# Altium PCB Gimbal.PcbDoc (part 1 of 2) (continued)
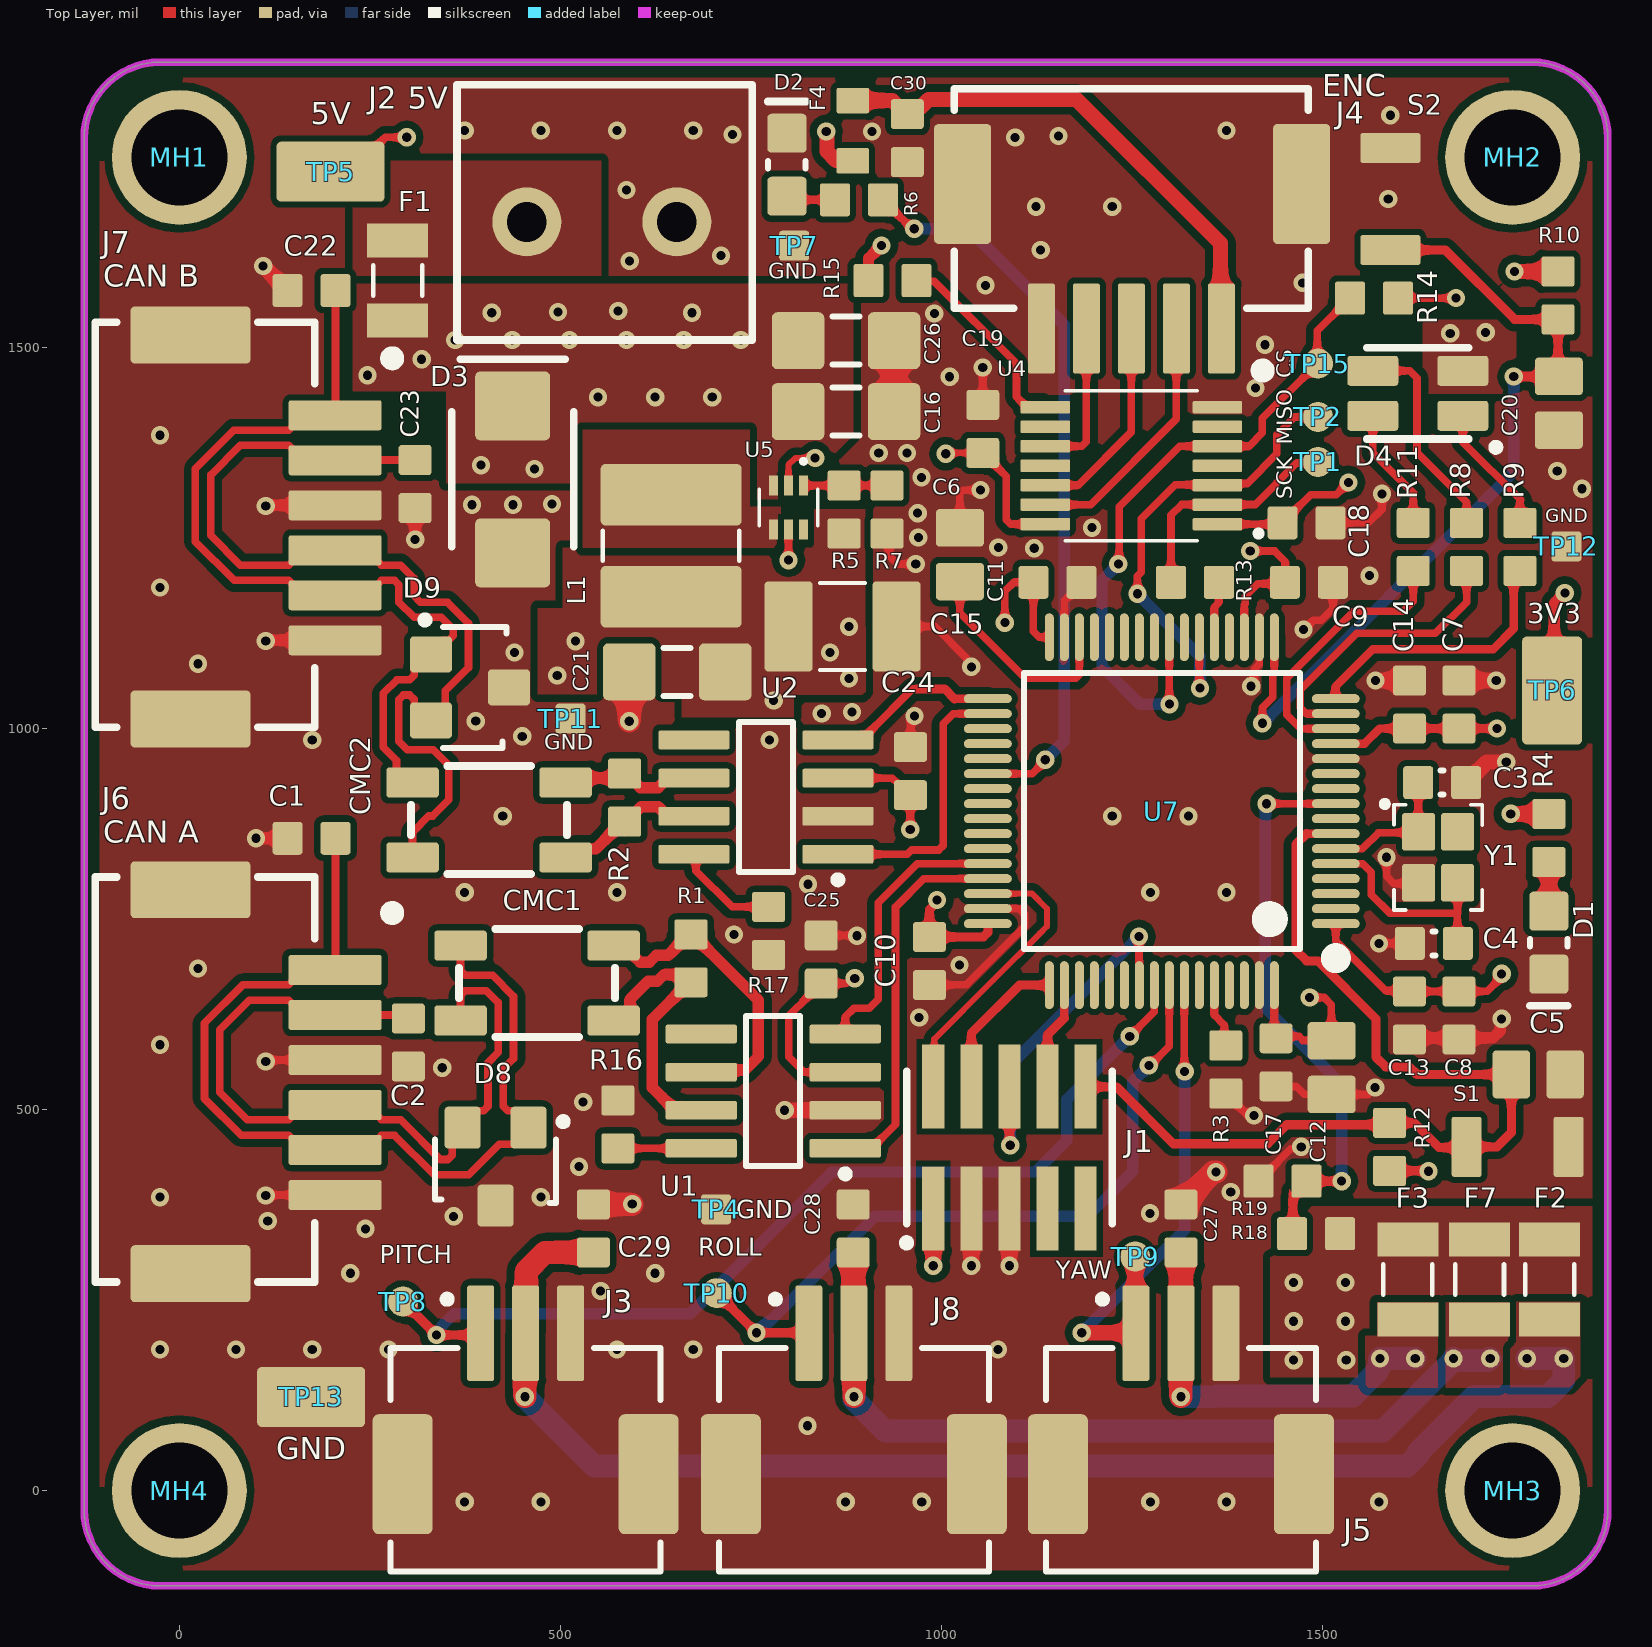
[diagram p0: Top Layer view]
## Design rules (kind name [scope] priority, off if disabled: settings)
BoardOutlineClearance [All] p1: gap=20 ignorepadtopadclearanceinfootprint=FALSE except(5: Text-OutlineEdge Text-CavityEdge Text-CutoutEdge Text-SplitBarrior Text-SplitContinuation; 25: Track-OutlineEdge Track-CavityEdge Track-CutoutEdge Track-SplitBarrior Track-SplitContinuation)
Clearance "Power Plane Clearance" [InNet('3V3') And OnLayer('Power') or InNet('5V') and OnLayer('Power')] p1: gap=10 ignorepadtopadclearanceinfootprint=TRUE except(0: Arc-Text Track-Text Text-Hole; 5: Track-Track SMDPad-SMDPad Text-Text; 7: SMDPad-Region; 8: Arc-Arc Arc-Track Arc-SMDPad Arc-Hole Track-SMDPad Track-Region Track-Hole SMDPad-THPad SMDPad-Fill SMDPad-Poly SMDPad-Text SMDPad-Hole THPad-Hole Via-Hole Fill-Hole Poly-Hole Region-Region Region-Hole; 20: THPad-THPad Via-Via; 25: Poly-Poly)
Clearance Clearance_1 [All] p2: gap=10 ignorepadtopadclearanceinfootprint=TRUE except(0: Arc-Text Track-Text Text-Hole; 5: Track-Track SMDPad-SMDPad Text-Text; 7: SMDPad-Region; 8: Arc-Arc Arc-Track Arc-SMDPad Arc-Hole Track-SMDPad Track-Region Track-Hole SMDPad-THPad SMDPad-Fill SMDPad-Poly SMDPad-Text SMDPad-Hole THPad-Hole Via-Hole Fill-Hole Poly-Hole Region-Region Region-Hole; 20: THPad-THPad Via-Via)
DiffPairsRouting [All] p1: maxlimit=10 minlimit=10 mostfreqgap=10 toplayer_minwidth=10 toplayer_maxwidth=10 toplayer_prefwidth=10 midlayer1_minwidth=10 midlayer1_maxwidth=10 midlayer1_prefwidth=10 midlayer2_minwidth=10 midlayer2_maxwidth=10 midlayer2_prefwidth=10 bottomlayer_minwidth=10 bottomlayer_maxwidth=10 bottomlayer_prefwidth=10 maxuncoupledlength=500
HoleSize [All] p1: absolutevalues=TRUE maxlimit=200 minlimit=10 maxpercent=80.000 minpercent=20.000
HoleToHoleClearance [All] p1: gap=20 allowstackedmicrovias=TRUE
MinimumAnnularRing [All] p1: minimumring=5
MinimumSolderMaskSliver [All] p1: minsoldermaskwidth=3
PolygonConnect PolygonConnect_Via [IsVia] p1: connectstyle=Direct reliefconductorwidth=10 reliefentries=4 polygonreliefangle="90 Angle" airgapwidth=10
PolygonConnect [All] p2: connectstyle=Direct reliefconductorwidth=10 reliefentries=4 polygonreliefangle="90 Angle" airgapwidth=10
RoutingVias [All] p1: holewidth=12 width=24 viastyle="Through Hole" minholewidth=6 minwidth=12 maxholewidth=24 maxwidth=50
SilkToSilkClearance [All] p1: silktosilkclearance=2
SilkToSolderMaskClearance [IsPad] p1: minsilkscreentomaskgap=2 clearancetoexposedcopper=TRUE
SolderMaskExpansion [All] p1: expansion=2 istentingtop=FALSE
Width Servos [(InNet('NetC27_2') OR InNet('NetC28_2') OR InNet('NetC29_2'))] p1: maxlimit=50 minlimit=20 preferedwidth=30 minimp=50.000000 maximp=50.000000 favimp=50.000000
Width Width_1 [All] p2: maxlimit=30 minlimit=8 preferedwidth=10 midlayer1_maxwidth=20 midlayer2_maxwidth=20 minimp=50.000000 maximp=50.000000 favimp=50.000000
24 further rules are at their usual default settings.

## Classes and differential pairs
component class "SH6 - CAN": B_P C1 C2 C22 C23 C24 C25 CMC1 CMC2 R1 R2 R16 R17 U1 U2
component class "SH5 - MICROCONTROLLER": C3 C4 C5 C6 C7 C8 C9 C10 C11 C12 C13 C14 C17 C20 D2 D4 J1 MH1 MH2 MH3 MH4 R3 R6 R8 R9 R10 R11 R12 R13 S1 S2 TP1 TP2 U7 Y1
component class "SH3 - SENSORS": C18 C19 R14 R15 R18 R19 TP15 U4
component class "SH2 - CONNECTORS": C27 C28 C29 C30 D8 D9 F2 F3 F4 F7 J3 J4 J5 J6 J7 J8 TP8 TP9 TP10
component class "SH1 - POWER": C15 C16 C21 C26 D1 D3 F1 J2 L1 R4 R5 R7 TP4 TP5 TP6 TP7 TP11 TP12 TP13 U5
differential pair CAN2: +CAN2_P -CAN2_N
differential pair CAN1: +CAN1_P -CAN1_N
differential pair CANB: +CANB_P -CANB_N
differential pair CANA: +CANA_P -CANA_N

## Components (designator, comment, footprint, x,y, rotation, side; value= is the part's Value field where it differs from the comment)
C1 "CAP_33pF_50V_0603" CAP0603 173.5,856.28 r0 top value=33pF
C2 "CAP_33pF_50V_0603" CAP0603 300.5,588.28 r90 top value=33pF
C3 "CL10C140JB8NNNC" CAPC0603(1608)55_N 1657.5,929.28 r180 top value=14pF
C4 "CL10C140JB8NNNC" CAPC0603(1608)55_N 1646.5,718.28 r0 top value=14pF
C5 "CAP_1uF_16V_0805" CAP2012 1783.5,546.28 r180 top value=1µF
C6 "CAP_4.7uF_16V_0805" CAP2012 1024.5,1228.47 r270 top value=4.7µF
C7 "CAP_1uF_16V_0603" CAP0603 1679.5,1031.81 r270 top value=1µF
C8 "CAP_0.1uF_50V_0603" CAP0603 1679.5,623.81 r90 top value=0.1µF
C9 "CAP_0.1uF_50V_0603" CAP0603 1482.5,1192.28 r180 top value=0.1µF
C10 "CAP_0.1uF_50V_0603" CAP0603 984.5,695.28 r90 top value=0.1µF
C11 "CAP_0.1uF_50V_0603" CAP0603 1152.5,1192.28 r180 top value=0.1µF
C12 "CAP_4.7uF_16V_0805" CAP2012 1512.5,555.28 r90 top value=4.7µF
C13 "CAP_0.1uF_50V_0603" CAP0603 1614.5,623.81 r90 top value=0.1µF
C14 "CAP_10nF_0603" CAP0603 1614.5,1031.81 r270 top value=10µF
C15 "GRM32ER71E226ME15K" CAPC3225X270N 870.5,1134.28 r180 top
C16 "4.7µF" CAP1206 875.03,1416.28 r180 top
C17 "CAP_0.1uF_50V_0603" CAP0603 1439.5,562.28 r90 top value=0.1µF
C18 "CAP_0.1uF_50V_0603" CAP0603 1479.5,1270.28 r180 top value=0.1µF
C19 "CAP_0.1uF_50V_0603" CAP0603 1054.5,1393.6 r270 top value=0.1µF
C20 "CAP_1uF_16V_0805" CAP2012 1810.62,1427.28 r90 top value=1µF
C21 "4.7µF" CAP1206 653.5,1074.78 r0 top
C22 "CAP_33pF_50V_0603" CAP0603 173.5,1575.28 r0 top value=33pF
C23 "CAP_33pF_50V_0603" CAP0603 309.5,1321.28 r90 top value=33pF
C24 "CAP_0.1uF_50V_0603" CAP0603 959.5,944.46 r90 top value=0.1µF
C25 "CAP_0.1uF_50V_0603" CAP0603 842.5,697.28 r90 top value=0.1µF
C26 "10uF" CAP1206 875.03,1509.28 r180 top value=10µF
C27 "CAP_0.1uF_50V_0603" CAP0603 1314.5,344.28 r270 top value=0.1µF
C28 "CAP_0.1uF_50V_0603" CAP0603 884.5,344.28 r270 top value=0.1µF
C29 "CAP_0.1uF_50V_0603" CAP0603 543.5,344.28 r270 top value=0.1µF
C30 "CAP_0.1uF_50V_0603" CAP0603 955.5,1775.28 r90 top value=0.1µF
CMC1 "CMC_51uH" 744212510 469.5,666.28 r180 top
CMC2 "CMC_51uH" 744212510 406.5,880.28 r180 top
D1 "LG R971-KN-1" LED_0805_GREEN 1797.5,719.28 r270 top
D2 "LG R971-KN-1" LED_0805_GREEN 797.5,1740.28 r90 top
D3 "TVS_DIODE_UNIDIR_5V" SMBJ5.0A 437.5,1327.28 r270 top
D4 "LED_RGB" LED_RGB 1625.5,1440.28 r90 top
D8 "TVS_DIODE_CAN" TVS_DIODE_CAN 415.11,425.28 r270 top
D9 "TVS_DIODE_CAN" TVS_DIODE_CAN 381.5,1054.28 r0 top
F1 "FUSE_8A_1206" FUSE_1206 286.5,1588.28 r270 top
F2 "FUSE_1.5A_1206" FUSE_1206 1798.5,277.28 r90 top
F3 "FUSE_1.5A_1206" FUSE_1206 1612.5,277.28 r90 top
F4 "FUSE_250mA_0603" FUSE_0603 884,1785 r270 top
F7 "FUSE_1.5A_1206" FUSE_1206 1706.5,277.28 r90 top
J1 "CON_PROGRAMMING" FTSH-105-01-F-DV-K-P-TR 1089.5,450.28 r0 top
J2 "1935161" 1935161 554.5,1665.28 r180 top
J3 "CON_3M_SM_RA" MOLEX-5025850370 454.5,40.28 r0 top
J4 "CON_5M_SM_RA" MOLEX-5025850570 1367.67,1525.28 r0 top
J5 "CON_3M_SM_RA" MOLEX-5025850370 1314.5,40.28 r0 top
J6 "CON_6M_SM_RA_1.5mm" MOLEX-5025850670 204.5,683.39 r90 top
J7 "CON_6M_SM_RA_1.5mm" MOLEX-5025850670 204.5,1411.44 r90 top
J8 "CON_3M_SM_RA" MOLEX-5025850370 885.21,40.28 r0 top
L1 "IND_1uH_3.8A" IND_BOURNS_SDR04 645.5,1240.28 r270 top value=1uH
MH1 "MOUNTING_HOLE_M3" MOUNTING_HOLE_3mm_GIMBAL_REV2 0,1750 r0 top
MH2 "MOUNTING_HOLE_M3" MOUNTING_HOLE_3mm_GIMBAL_REV2 1750,1750 r0 top
MH3 "MOUNTING_HOLE_M3" MOUNTING_HOLE_3mm_GIMBAL_REV2 1750,0 r0 top
MH4 "MOUNTING_HOLE_M3" MOUNTING_HOLE_3mm_GIMBAL_REV2 0,0 r0 top
R1 "RES_120Ω_0603" RESC0603(1608)_N 671.5,730.28 r270 top value=120¥Ø
R2 "RES_120Ω_0603" RESC0603(1608)_N 584.5,941.28 r270 top value=120¥Ø
R3 "RES_10kΩ_0603" RESC0603(1608)_N 1373.5,584.28 r270 top value=10k¥Ø
R4 "RES_120Ω_0603" RESC0603(1608)_N 1797.5,825.28 r90 top value=120¥Ø
R5 "RES_453kΩ_0603" RESC0603(1608)_N 872.5,1319.28 r270 top value=453k¥Ø
R6 "RES_120Ω_0603" RESC0603(1608)_N 923.5,1694.28 r180 top value=120¥Ø
R7 "RES_100kΩ_0603_1%" RESC0603(1608)_N 928.76,1256.28 r90 top value=100k¥Ø
R8 "RES_20Ω_0603" RESC0603(1608)_N 1689.5,1270.28 r270 top value=20¥Ø
R9 "RES_120Ω_0603" RESC0603(1608)_N 1759.5,1207.28 r90 top value=120¥Ø
R10 "RES_10kΩ_0603" RESC0603(1608)_N 1809.5,1600.28 r270 top value=10k¥Ø
R11 "RES_20Ω_0603" RESC0603(1608)_N 1619.5,1270.28 r270 top value=20¥Ø
R12 "RES_10kΩ_0603" RESC0603(1608)_N 1588.5,482.77 r270 top value=10k¥Ø
R13 "RES_27Ω_0603" RESC0603(1608)_N 1301.51,1192.28 r0 top value=27¥Ø
R14 "RES_10kΩ_0603" RESC0603(1608)_N 1536.51,1565.28 r0 top value=10k¥Ø
R15 "RES_10kΩ_0603" RESC0603(1608)_N 967.49,1588.28 r180 top value=10k¥Ø
R16 "RES_0Ω_0603" RESC0603(1608)_N 575.5,512.28 r270 top value=0¥Ø
R17 "RES_0Ω_0603" RESC0603(1608)_N 773.5,703.28 r90 top value=0¥Ø
R18 "RES_2.2kΩ_0603" RESC0603(1608)_N 1460.51,337.28 r0 top value=2.2k¥Ø
R19 "RES_3.3kΩ_0603" RESC0603(1608)_N 1416.51,406.28 r0 top value=3.3k¥Ø
S1 "SW_TACTILE" B3U-1000P 1756.5,451.28 r180 top
S2 "SW_TACTILE" B3U-1000P 1589.5,1695.28 r270 top
TP1 "TESTPOINT_1MM_CIRCLE" TESTPOINT_CIRCLE_1MM 1494.5,1350.28 r90 top
TP2 "TESTPOINT_1MM_CIRCLE" TESTPOINT_CIRCLE_1MM 1494.5,1409.28 r90 top
TP4 "TESTPOINT_1MM_SQUARE" TESTPOINT_SQUARE_1MM 704.5,369.28 r90 top
TP5 "TESTPOINT_SMD_LOOP" S1751-46R 198.5,1731.28 r180 top
TP6 "TESTPOINT_SMD_LOOP" S1751-46R 1801.78,1050.28 r270 top
TP7 "TESTPOINT_1MM_SQUARE" TESTPOINT_SQUARE_1MM 807,1634 r90 top
TP8 "TESTPOINT_1MM_CIRCLE" TESTPOINT_CIRCLE_1MM 293.5,248.28 r0 top
TP9 "TESTPOINT_1MM_CIRCLE" TESTPOINT_CIRCLE_1MM 1254.5,307.28 r0 top
TP10 "TESTPOINT_1MM_CIRCLE" TESTPOINT_CIRCLE_1MM 705.5,259.28 r90 top
TP11 "TESTPOINT_1MM_SQUARE" TESTPOINT_SQUARE_1MM 513.5,1013.28 r90 top
TP12 "TESTPOINT_1MM_SQUARE" TESTPOINT_SQUARE_1MM 1820.5,1239.28 r90 top
TP13 "TESTPOINT_SMD_LOOP" S1751-46R 173,123 r180 top
TP15 "TESTPOINT_1MM_CIRCLE" TESTPOINT_CIRCLE_1MM 1494.5,1479.28 r90 top
U1 "IC TXRX CAN" LT-S8_N 779.5,524.28 r180 top
U2 "IC TXRX CAN" LT-S8_N 769.87,910.28 r180 top
U4 "TXS0104EQPWRQ1" TXS0104EQPWRQ1 1249.5,1345.28 r180 top
U5 "TLV62568ADRLR" SOT50P160X60-6N 799.5,1290.28 r270 top
U7 "STM32F446RET6" STM-LQFP64_L 1289.5,891.81 r180 top
Y1 "CRYSTAL_25MHZ" SOIC254P1016X440-4N 1652.15,831.28 r270 top

## Footprints (in the part's own frame and the unit in brackets; to place one, negate y for a bottom-side part, rotate by r counter-clockwise, add the part's x,y. Pads: shape width x height; smd on the part's side, far side on the other; paste and mask are expansions set on the pad)
1935161 [mm]
  round 2.3 hole 1.325: 1(-2.5,0) 2(2.5,0)
  silkscreen extent -5.01,-4.57 4.83,3.94, body extent -5.01,-5.06 5.39,3.94, height 11.41
744212510 [mm] "CMC HORIZONTAL 4 J-LEAD"
  rrect20% 1.75x1 smd: 1(-2.55,-1.25) 3(-2.55,1.25) 4(2.55,1.25) 5(2.55,-1.25)
  silkscreen extent -2.6,-1.8 2.6,1.8, body extent -2.6,-1.8 2.6,1.8, height 1.67
B3U-1000P [mm] "TACTILE SWITCH GREY"
  rrect15% 1x2 smd: 1(-1.7,0) 2(1.7,0)
  body extent -2,-1.25 2,1.25, height 1.6
CAP0603 [mm]
  rrect20% 1x1.1 smd: 1(-0.8,0) 2(0.8,0)
  body extent -0.87,-0.48 0.88,0.48, height 0.87
CAP1206 [mm] "Chip Capacitor, Body 3.2x1.6mm, Height 0.55mm, IPC Medium Density"
  rrect20% 1.75x1.9 smd: 1(-1.6,0) 2(1.6,0)
  silkscreen extent -0.45,-0.8 0.45,0.8, body extent -1.7,-0.9 1.7,0.9, height 0.88
CAP2012 [mm]
  rrect20% 1.25x1.6 smd: 1(-0.895,0) 2(0.895,0)
  body extent -1.1,-0.7 1.1,0.75, height 1.41
CAPC0603(1608)55_N [mm] "Chip Capacitor, Body 1.6x0.8mm, Height 0.55mm, IPC Medium Density"
  rrect20% 1x1.1 smd: 1(-0.8,0) 2(0.8,0)
  silkscreen extent -0.05,-0.4 0.05,0.4, body extent -0.87,-0.48 0.88,0.48, height 0.87
CAPC3225X270N [mm]
  rrect15% 1.6x3 smd: 1(-1.8,0) 2(1.8,0)
  silkscreen extent -0.75,-1.45 0.75,1.45, body extent -1.6,-1.35 1.6,1.35, height 2.55
FTSH-105-01-F-DV-K-P-TR [mil] "Samtec programming header 10 positions"
  rect 29x110 smd mask+2: 1(-100,-80) 2(-100,80) 3(-50,-80) 4(-50,80) 5(0,-80) 6(0,80) 7(50,-80) 8(50,80) 9(100,-80) 10(100,80)
  silkscreen extent -140,-130 135,100, body extent -125,-115 125,175, height 276
FUSE_0603 [mm] "Chip Fuse, Body 1.6x0.81mm"
  rrect15% 0.85x1.09 smd: 1(-1.005,0) 2(1.005,0)
  body extent -0.8,-0.38 0.8,0.38, height 0.75
FUSE_1206 [mil]
  rect 45x80 smd mask+1: 1(-52.5,0) 2(52.5,0)
  silkscreen extent -20,-32 20,32, body extent -65,-32 65,32, height 32
IND_BOURNS_SDR04 [mm] "SDR0403 Series - SMD Power Inductors"
  rrect15% 2.05x4.7 smd paste+0 mask+0.102: 1(-1.7,0) 2(1.7,0)
  silkscreen extent -0.5,-2.27 0.5,2.27, body extent -2.25,-2.25 2.25,2.25, height 3.2
LED_0805_GREEN [mm] "SMD, 2-Leads, Body 2x1.25mm"
  rrect20% 1.3x1.3 smd: 1(-1.05,0) 2(1.05,0)
  silkscreen extent -0.13,-0.63 2.11,0.64, body extent -1,-0.62 1,0.62, height 1.12
LED_RGB [mm]
  rrect20% 1x1.7 smd: 1(-0.75,-1.5) 2(-0.75,1.5) 3(0.75,1.5) 4(0.75,-1.5)
  silkscreen extent -1.92,-2.73 1.53,1.7, body extent -1.4,-1.75 1.4,1.75, height 1.89
LT-S8_N [mm] "SOP, 8-Leads, Body 4.9x3.9mm, Pitch 1.27mm, IPC Medium Density"
  rrect20% 2.375x0.625 smd: 1(-2.4,1.905) 2(-2.4,0.635) 3(-2.4,-0.635) 4(-2.4,-1.905) 5(2.4,-1.905) 6(2.4,-0.635) 7(2.4,0.635) 8(2.4,1.905)
  silkscreen extent -2.53,-2.5 0.9,2.88, body extent -2.91,-2.4 2.87,2.5, height 1.45
MOLEX-5025850370 [mm]
  rrect20% 2x4 smd paste+0 mask+0: 0(-4.1,-0.475) 0(4.1,-0.475)
  rrect20% 0.9x3.2 smd paste+0 mask+0: 1(-1.5,4.225) 2(0,4.225) 3(1.5,4.225)
  silkscreen extent -4.5,-3.72 4.5,5.48, body extent -4.4,-3.67 4.4,4.83, height 6.4
MOLEX-5025850570 [mm]
  rrect15% 1.9x4 smd: 0(-8.625,4.82) 0(2.675,4.82)
  rrect15% 0.9x3 smd: 1(0,0) 2(-1.5,0) 3(-3,0) 4(-4.5,0) 5(-6,0)
  silkscreen extent -8.9,-1.6 2.9,8, body extent -8.9,-0.5 2.9,8, height 6.21
MOLEX-5025850670 [mm] "Molex 5024940670 6 pin 2mm pitch SMD RA connector"
  rrect15% 1.9x4 smd: 0(-10.125,4.82) 0(2.675,4.82)
  rrect15% 1x3.1 smd: 1(0,0) 2(-1.5,0) 3(-3,0) 4(-4.5,0) 5(-6,0) 6(-7.5,0)
  silkscreen extent -10.4,-2.1 3.1,8, body extent -10.25,-0.62 3.05,7.88, height 6.41
MOUNTING_HOLE_3mm_GIMBAL_REV2 [mm] "3mm Hole"
  round 4.5 / inner round 4.5 / far side round 5 hole 3.2 mask+0.3: 0(0,0)
RESC0603(1608)_N [mm] "Chip Resistor, Body 1.6x0.8mm, IPC Medium Density"
  rrect15% 1x1.1 smd: 1(0,0) 2(1.6,0)
  body extent 0,-0.4 1.6,0.4, height 0.46
S1751-46R [mm] "SMD LOOP TESTPOINT"
  rrect15% 3.6x2 smd: 1(0,0)
  body extent -1.63,-0.85 1.62,0.8, height 2.01
SMBJ5.0A [mm] "9.2V Clamp 65.3A Ipp Tvs Diode Surface Mount SMB (DO-214AA)"
  rrect15% 2.3x2.5 smd: 1(-2.45,0) 2(2.45,0)
  silkscreen extent -4,-2.03 2.25,2.03, body extent -2.7,-1.8 2.7,1.8, height 2.27
SOIC254P1016X440-4N [mm]
  rrect15% 1.25x1.1 smd: 1(-0.85,-0.65) 2(0.85,-0.65) 3(0.85,0.65) 4(-0.85,0.65)
  silkscreen extent -1.88,-1.88 1.75,1.47, body extent -1.24,-0.85 1.24,0.85, height 0.56
SOT50P160X60-6N [mm]
  rect 0.66x0.31 smd: 1(-0.735,0.5) 2(-0.735,0) 3(-0.735,-0.5) 4(0.735,-0.5) 5(0.735,0) 6(0.735,0.5)
  silkscreen extent -1.62,-0.97 0.6,0.97, body extent -0.8,-0.8 0.8,0.8, height 0.6
STM-LQFP64_L [mm] "QFP, 64-Leads, Body 10x10mm, Pitch 0.5mm, IPC High Density"
  oval 1.6x0.3 smd: 1(-5.8,3.75) 2(-5.8,3.25) 3(-5.8,2.75) 4(-5.8,2.25) 5(-5.8,1.75) 6(-5.8,1.25) 7(-5.8,0.75) 8(-5.8,0.25) 9(-5.8,-0.25) 10(-5.8,-0.75) 11(-5.8,-1.25) 12(-5.8,-1.75) 13(-5.8,-2.25) 14(-5.8,-2.75) 15(-5.8,-3.25) 16(-5.8,-3.75) 33(5.8,-3.75) 34(5.8,-3.25) 35(5.8,-2.75) 36(5.8,-2.25) 37(5.8,-1.75) 38(5.8,-1.25) 39(5.8,-0.75) 40(5.8,-0.25) 41(5.8,0.25) 42(5.8,0.75) 43(5.8,1.25) 44(5.8,1.75) 45(5.8,2.25) 46(5.8,2.75) 47(5.8,3.25) 48(5.8,3.75)
  oval 0.3x1.6 smd: 17(-3.75,-5.8) 18(-3.25,-5.8) 19(-2.75,-5.8) 20(-2.25,-5.8) 21(-1.75,-5.8) 22(-1.25,-5.8) 23(-0.75,-5.8) 24(-0.25,-5.8) 25(0.25,-5.8) 26(0.75,-5.8) 27(1.25,-5.8) 28(1.75,-5.8) 29(2.25,-5.8) 30(2.75,-5.8) 31(3.25,-5.8) 32(3.75,-5.8) 49(3.75,5.8) 50(3.25,5.8) 51(2.75,5.8) 52(2.25,5.8) 53(1.75,5.8) 54(1.25,5.8) 55(0.75,5.8) 56(0.25,5.8) 57(-0.25,5.8) 58(-0.75,5.8) 59(-1.25,5.8) 60(-1.75,5.8) 61(-2.25,5.8) 62(-2.75,5.8) 63(-3.25,5.8) 64(-3.75,5.8)
  silkscreen extent -5.93,-4.6 4.6,5.02, body extent -5.98,-6 6.02,6, height 1.56
TESTPOINT_CIRCLE_1MM [mm]
  round 1 smd: 1(0,0)
TESTPOINT_SQUARE_1MM [mm]
  rrect20% 1x1 smd: 1(0,0)
TVS_DIODE_CAN [mm] "SOT23, 3-Leads, Body 2.95x2.80mm, Pitch 0.95mm, IPC Low Density"
  rrect20% 1.4x1.2 smd: 1(-1.3,1.1) 2(-1.3,-1.1) 3(1.3,0)
  silkscreen extent -1.62,-2.02 1.22,2.38, body extent -1.4,-1.45 1.4,1.45, height 1.3
TXS0104EQPWRQ1 [mm]
  rrect25% 1.65x0.425 smd: 1(-2.87,1.95) 2(-2.87,1.3) 3(-2.87,0.65) 4(-2.87,0) 5(-2.87,-0.65) 6(-2.87,-1.3) 7(-2.87,-1.95) 8(2.87,-1.95) 9(2.87,-1.3) 10(2.87,-0.65) 11(2.87,0) 12(2.87,0.65) 13(2.87,1.3) 14(2.87,1.95)
  silkscreen extent -4.34,-2.5 2.2,2.5, body extent -3.2,-2.5 3.2,2.5, height 1.13

## Part data
C1 C2 C22 C23: "CAP CER 33PF 50V C0G/NP0", Case Code (Imperial)=0603, Case Code (Metric)=1608, Dielectric=C0G, Dielectric Material=Ceramic, Insulation Resistance=100GR, Manufacturer 1=Yageo, Manufacturer Part Number 1=CC0603JRNPO9BN330, Max Operating Temperature=125°C, Min Operating Temperature=-55°C, Supplier Part Number 1=311-1064-1-ND, Temperature Coefficient=30ppm/°C, Tolerance=5%, Voltage=50V, ComponentLink7Description=https://datasheet.ciiva.com/11464/upy-gp-np0-16v-to-50v-8-11464730.pdf?src-supplier=Avnet, ComponentLink7URL=https://datasheet.ciiva.com/11464/upy-gp-np0-16v-to-50v-8-11464730.pdf?src-supplier=Avnet, ComponentLink8Description=https://datasheet.ciiva.com/46430/1835847-46430155.pdf?src-supplier=Element14, ComponentLink8URL=https://datasheet.ciiva.com/46430/1835847-46430155.pdf?src-supplier=Element14, ComponentLink9Description=https://datasheet.ciiva.com/144/mlccorderingcode-144644.pdf?src-supplier=Digi-Key, ComponentLink9URL=https://datasheet.ciiva.com/144/mlccorderingcode-144644.pdf?src-supplier=Digi-Key, ComponentLink10Description=https://datasheet.ciiva.com/5426/upy-gp-np0-16v-to-50v-8-5426614.pdf?src-supplier=Mouser, ComponentLink10URL=https://datasheet.ciiva.com/5426/upy-gp-np0-16v-to-50v-8-5426614.pdf?src-supplier=Mouser, ComponentLink11Description=https://datasheet.ciiva.com/7978/1443161-7978142.pdf?src-supplier=Element14, ComponentLink11URL=https://datasheet.ciiva.com/7978/1443161-7978142.pdf?src-supplier=Element14, Composition=Ceramic, Depth=0.8mm, Height=0.8mm, Length=1.6mm, Mount="Surface Mount", Number of Pins=2, Package=0603, REACH SVHC="No SVHC", Supplier 1=Digi-Key, Termination=SMD/SMT, Thickness=0.035inch, Voltage Rating=50V, Voltage Rating (DC)=50V, Width=0.031inch
C3 C4: "Cap Ceramic 14pF 50V C0G 5% SMD 0603 125C Cardboard T/R", Capacitance=14pF, Case Code (Imperial)=0603, Case Code (Metric)=1608, Dielectric=C0G, Manufacturer 1=Samsung, Max Operating Temperature=125°C, Min Operating Temperature=-55°C, Package Quantity=1, Supplier Part Number 1=1276-2187-1-ND, Tolerance=5%, Voltage Rating=50V, Case/Package=0603, ComponentLink1Description=https://datasheet.ciiva.com/25782/cl10c140jb8nnnc-25782947.pdf?src-supplier=Digi-Key, ComponentLink1URL=https://datasheet.ciiva.com/25782/cl10c140jb8nnnc-25782947.pdf?src-supplier=Digi-Key, Depth=0.8mm, Height=0.8mm, Length=1.6mm, Manufacturer Part Number 1=CL10C140JB8NNNC, Mount="Surface Mount", Packaging="Tape and Reel", Pricing 1="1=0.10000, 10=0.06700, 100=0.02980, 500=0.02130, 1000=0.01673 (USD)", Radiation Hardening=No, RoHS=Yes, Stock 1=187088, Supplier 1=Digi-Key, Thickness=0.035inch, Voltage Rating (DC)=50V, Width=0.031inch
C5 C20: "CAP CER 1UF 16V X7R 0805", Case Code (Imperial)=0805, Case Code (Metric)=2012, Dielectric=X7R, Manufacturer 1=Yageo, Manufacturer Part Number 1=CC0805KKX7R7BB105, Max Operating Temperature=125°C, Min Operating Temperature=-55°C, Package="0805 (2012 Metric)", Supplier Part Number 1=311-1365-1-ND, Tolerance=10%, Voltage Rating=16V, Mount="Surface Mount", Supplier 1=Digi-Key, Termination=SMD/SMT
C6 C12: "CAP CER 4.7UF 16V X5R 0805", Case Code (Imperial)=0805, Case Code (Metric)=2012, Dielectric=X5R, Manufacturer 1="Samsung Electro-Mechanics", Manufacturer Part Number 1=CL21A475KOFNNNE, Max Operating Temperature=85°C, Min Operating Temperature=-55°C, Package="0805 (2012 Metric)", Supplier Part Number 1=1276-1065-1-ND, Tolerance=10%, Voltage Rating=16V, Mount="Surface Mount", Supplier 1=Digi-Key, Termination=SMD/SMT
C7: "CAP CER 1UF 16V Y5V 0603", Case Code (Imperial)=0603, Case Code (Metric)=1608, Dielectric=Y5V, Manufacturer 1=Yageo, Manufacturer Part Number=CC0603ZRY5V7BB105, Package="0603 (1608 Metric)", Supplier Part Number 1=311-1372-1-ND, Voltage Rating=16V, Dimensions="0.063\" L x 0.031\" W (1.60mm x 0.80mm)", Manufacturer Part Number 1=CC0603ZRY5V7BB105, Mount="Surface Mount", Supplier 1=Digi-Key, Temperature Coefficient=Y5V
C8 C9 C10 C11 C13 C17 C18 C19 C24 C25 C27 C28 C29 C30: "CAP CER 0.1UF 50V X7R 0603", Case Code (Imperial)=0603, Case Code (Metric)=1608, Dielectric=X7R, Manufacturer 1=Yageo, Manufacturer Part Number 1=CC0603KRX7R9BB104, Package="0603 (1608 Metric)", Supplier Part Number 1=311-1344-1-ND, Voltage Rating=50V, Dimensions="0.063\" L x 0.031\" W (1.60mm x 0.80mm)", Mount="Surface Mount", Supplier 1=Digi-Key, Temperature Coefficient=X7R
C14: "CAP CER 10000PF 16V X7R 0603", Case Code (Imperial)=0603, Case Code (Metric)=1608, Dielectric=X7R, Manufacturer 1=Yageo, Manufacturer Part Number 1=CC0603KRX7R7BB103, Package="0603 (1608 Metric)", Supplier Part Number 1=311-3369-1-ND, Voltage Rating=16V, Dimensions="0.063\" L x 0.031\" W (1.60mm x 0.80mm)", Mount="Surface Mount", Supplier 1=Digi-Key, Temperature Coefficient=X7R
C15: "CAP CER 22UF 25V X7R 1210", Capacitance=22uF, Manufacturer 1="Murata Electronics", Package="1210 (3225 Metric)", Supplier Part Number 1=490-14682-1-ND, Temperature Coefficient=X7R, Tolerance=?0%, Voltage=25V, Manufacturer Part Number 1=GRM32ER71E226ME15K, Supplier 1=Digi-Key
C16 C21: library part CAP_4.7µF_50V_1206, "CAP CER 4.7UF 50V X7R 1206", Capacitance=4.7uF, Case Code (Imperial)=1206, Case Code (Metric)=3216, Dielectric=X7R, Manufacturer 1=Murata, Manufacturer Part Number 1=GRM31CR71H475KA12L, Max Operating Temperature=125°C, Min Operating Temperature=-55°C, Package="1206 (3216 Metric)", Supplier Part Number 1=490-6521-1-ND, Tolerance=10%, Voltage=50V, ComponentLink7Description=https://datasheet.ciiva.com/6270/partnumbering-e-01-6270217.pdf?src-supplier=Digi-Key, ComponentLink7URL=https://datasheet.ciiva.com/6270/partnumbering-e-01-6270217.pdf?src-supplier=Digi-Key, ComponentLink8Description=https://datasheet.ciiva.com/6270/partnumbering-e-01-6270218.pdf?src-supplier=Digi-Key, ComponentLink8URL=https://datasheet.ciiva.com/6270/partnumbering-e-01-6270218.pdf?src-supplier=Digi-Key, Depth=1.6mm, Height=1.6mm, Length=3.2mm, Material=Ceramic, Mount="Surface Mount", REACH SVHC="No SVHC", Supplier 1=Digi-Key, Termination=SMD/SMT, Thickness=0.071inch, Voltage Rating=50V, Voltage Rating (DC)=50V, Width=0.063inch
C26: library part CAP_10uF_50V_1206, "CAP CER 10UF 50V X5R 1206", Case Code (Imperial)=1206, Case Code (Metric)=3216, Dielectric=X5R, Manufacturer 1=Murata, Manufacturer Part Number 1=GRT31CR61H106KE01L, Package="1206 (3216 Metric)", Supplier Part Number 1=490-12456-1-ND, Voltage Rating=50V, Dimensions="0.126\" L x 0.063\" W (3.20mm x 1.6mm)", Manufacturer Part Numer 1=GRT31CR61H106KE01L, Mount="Surface Mount", Supplier 1=Digi-Key
CMC1 CMC2: "CMC 51uH 300MA 2LN SMD", Case/Package=SMD/SMT, Current=300mA, DC Resistance (DCR)=160mR, Inductance=51uH, Inductance Tolerance=50%, Manufacturer 1="Wurth Electronics", Manufacturer Part Number 1=744212510, Max Operating Temperature=105°C, Min Operating Temperature=-40°C, Supplier Part Number 1=732-3941-1-ND, Test Frequency=100kHz, Voltage Rating (DC)=80V, ComponentLink7Description=https://datasheet.ciiva.com/6216/744212510-6216348.pdf?src-supplier=Digi-Key, ComponentLink7URL=https://datasheet.ciiva.com/6216/744212510-6216348.pdf?src-supplier=Digi-Key, ComponentLink8Description=https://datasheet.ciiva.com/7764/1735560-7764951.pdf?src-supplier=Element14, ComponentLink8URL=https://datasheet.ciiva.com/7764/1735560-7764951.pdf?src-supplier=Element14, Core Material=Ferrite, Current Rating=300mA, Depth=3.6mm, Height=1.65mm, Impedance=300R, Length=6.5mm, Max DC Current=300mA, Mount="Surface Mount", Number of Lines=2, Number of Pins=4, REACH SVHC="No SVHC", Supplier 1=Digi-Key, Termination=SMD/SMT, Tolerance=50%, Width=0.142inch
D1 D2: library part DIO_LED_G, "LED GREEN DIFFUSED 0805 SMD", Forward Voltage Drop=2.2V, Manufacturer 1=OSRAM, Package="0805 (2012 Metric)", Supplier Part Number 1=475-1410-1-ND, Manufacturer Part Number 1="LG R971-KN-1", Mount="Surface Mount", Supplier 1=Digi-Key
D3: "TVS DIODE 5V 9.2V DO214AA", Breakdown Voltage=7.25V, Clamping Voltage=9.2V, Leakage Current=800uA, Manufacturer 1=Bourns, Manufacturer Part Number 1=SMBJ5.0A, Max Operating Temperature=150°C, Max Power Dissipation=600W, Max Surge Current=100A, Min Breakdown Voltage=6.4V, Min Operating Temperature=-55°C, Operating Supply Voltage=3.5V, Peak Pulse Current=65.2A, Power Line Protection=No, Reverse Standoff Voltage=5V, Supplier Part Number 1=SMBJ5.0ABCT-ND, Test Current=10mA, Composition=Zener, Max Breakdown Voltage=7.25V, Max Reverse Leakage Current=800uA, Mount="Surface Mount", Number of Channels=1, Number of Pins=2, Peak Pulse Power=600W, Polarity=Unidirectional, Reverse Breakdown Voltage=6.4V, Supplier 1=Digi-Key
D4: "LED RGB DIFFUSED 4PLCC SMD", Case/Package=PLCC, Color=Blue,Green,Red, Forward Voltage=3.1V, Lens Color=White, Manufacturer 1=Broadcom, Manufacturer Part Number 1=ASMB-MTB1-0A3A2, Supplier Part Number 1=516-3280-1-ND, Test Current=20mA, Dominant Wavelength=470nm, Height=1.9mm, Length=3.2mm, Lens Style=Round, Lens Transparency=Diffused, Luminous Intensity=350mcd, Mount="Surface Mount", Number of Pins=4, REACH SVHC="No SVHC", Supplier 1=Digi-Key, Viewing Angle=115?ISIMPORTED=TRUE, Width=2.8mm
D8 D9: "TVS DIODE 24V 41V SOT323-3", Manufacturer 1="Nexperia USA Inc.", Manufacturer Part Number 1=PESD2CAN,215, Package="SC-70, SOT-323", Supplier Part Number 1=1727-3891-1-ND, Mount="Surface Mount", Supplier 1=Digi-Key
F1: "FUSE SMD 8A 24V", Case Code (Imperial)=1206, Case Code (Metric)=3216, Current=8A, DC Cold Resistance=31mR, Manufacturer 1=Littelfuse, Manufacturer Part Number 1=0469008.WR, Max Operating Temperature=90°C, Min Operating Temperature=-55°C, Power Dissipation=157.5mW, Supplier Part Number 1=F3542CT-ND, Voltage Rating (AC)=24V, Approvals=UL,CSA, Case/Package=1206, Current Rating=8A, Depth=1.52mm, Fuse Type="Board Mount (Cartridge Style Excluded)", Height=0.023inch, Housing Material=Ceramic, Length=3.18mm, Mount="Surface Mount", Supplier 1=Digi-Key, Voltage Rating (DC)=24V, Width=0.06inch
F2 F3 F7: "FUSE SMD 1.5A 63V", Case Code (Imperial)=1206, Case Code (Metric)=3216, Current=1.5A, DC Cold Resistance=31mR, Manufacturer 1=Littelfuse, Manufacturer Part Number 1=046601.5NR, Max Operating Temperature=90°C, Min Operating Temperature=-55°C, Power Dissipation=157.5mW, Supplier Part Number 1=F1462CT-ND, Voltage Rating (AC)=63V, Approvals=UL,CSA, Case/Package=1206, Current Rating=1.5A, Depth=1.52mm, Fuse Type="Board Mount (Cartridge Style Excluded)", Height=0.023inch, Housing Material=Ceramic, Length=3.18mm, Mount="Surface Mount", Supplier 1=Digi-Key, Voltage Rating (DC)=63V, Width=0.06inch
F4: "FUSE SMD 250mA 32V", Current Rating=250mA, Manufacturer 1=Littelfuse, Manufacturer Part Number 1=0467.250NRHF, Supplier Part Number 1=F6020CT-ND, Voltage Rating (AC)=32V, Mount="Surface Mount", Response Time="Fast Blow", Supplier 1=Digi-Key, Supplier Packaging 1="Cut Tape", Voltage Rating (DC)=32V
J1: "Board Connector, 10 Contact(s), 2 Row(s), Male, Straight, 0.05 inch Pitch, Surface Mount Terminal, Locking", Color=Black, Manufacturer 1=Samtec, Manufacturer Part Number 1=FTSH-105-01-F-DV-K, Max Current Rating=1.75A, Max Operating Temperature=125°C, Min Operating Temperature=-55°C, Package Quantity=1, Supplier Part Number 1=SAM8796-ND, Category="Headers and Wire Housings", ComponentLink1Description=https://datasheet.ciiva.com:443/pdfs/VipMasterIC/IC/SAMI/SAMI-S-A0003531380/SAMI-S-A0003531380-1.pdf?src-supplier=IHS+Markit, ComponentLink1URL=https://datasheet.ciiva.com:443/pdfs/VipMasterIC/IC/SAMI/SAMI-S-A0003531380/SAMI-S-A0003531380-1.pdf?src-supplier=IHS+Markit, ComponentLink2Description=https://datasheet.ciiva.com/19461/2046846-19461026.pdf?src-supplier=Jameco, ComponentLink2URL=https://datasheet.ciiva.com/19461/2046846-19461026.pdf?src-supplier=Jameco, ComponentLink3Description=https://datasheet.ciiva.com/16657/ftsh-mt-16657371.pdf?src-supplier=Avnet+Europe, ComponentLink3URL=https://datasheet.ciiva.com/16657/ftsh-mt-16657371.pdf?src-supplier=Avnet+Europe, ComponentLink4Description=https://datasheet.ciiva.com/15195/getdatasheetpartid-133463-15195260.pdf?src-supplier=Verical, ComponentLink4URL=https://datasheet.ciiva.com/15195/getdatasheetpartid-133463-15195260.pdf?src-supplier=Verical, ComponentLink5Description=https://datasheet.ciiva.com/738/ftsh-1xx-xx-xxx-dv-xxx-mkt-738998.pdf?src-supplier=Digi-Key, ComponentLink5URL=https://datasheet.ciiva.com/738/ftsh-1xx-xx-xxx-dv-xxx-mkt-738998.pdf?src-supplier=Digi-Key, ComponentLink6Description=https://datasheet.ciiva.com/10245/ftsh-mt-10245273.pdf?src-supplier=Avnet, ComponentLink6URL=https://datasheet.ciiva.com/10245/ftsh-mt-10245273.pdf?src-supplier=Avnet, Connector Type="Male Pin", Contact Material=Copper,Bronze, Contact Mating Length=0.12inch, Contact Plating=Gold, Depth=3.43mm, Height=3.3mm, Housing Color=Black, Housing Material=Polymer, Lead Free="Lead Free", Length=15.2mm, Mount="Surface Mount", Number of Contacts=10, Number of Positions=10, Number of Rows=2, Orientation=Straight, Packaging=Rail/Tube, Pitch=1.27mm, Pricing 1="1=2.90000, 10=2.78400, 100=2.32000, 500=1.97200, 1000=1.68200, 5000=1.50800 (USD)", Radiation Hardening=No, RoHS=Yes, Row Spacing=0.05inch, Stock 1=19926, Supplier 1=Digi-Key, Termination=Solder
J2: library part CON_2M_TERM, "TERM BLK 2POS SIDE ENTRY 5MM", Color=Green, Current=18A, Current Rating=17.5A, Flammability Rating="UL94 V-0", Manufacturer 1="Phoenix Contact", Max Current Rating=16A, Max Supply Voltage=250V, Supplier Part Number 1=277-1667-ND, Voltage=300V, Voltage Rating (DC)=320V, Approvals=UL, Connector Type=Screw, Contact Material=Copper,Tin, Depth=9mm, Height=11.3mm, Housing Color=Green, Housing Material=Polyamide, Insulation Material=Nylon, Length=9mm, Manufacturer Part Number 1=1935161, Material=Nylon, Mount="Through Hole", Number of Circuits=2, Number of Contacts=2, Number of Levels=1, Number of Pins=2, Number of Poles=2, Number of Positions=2, Number of Positions Per Level=2, Number of Rows=1, Orientation=Straight, Pitch=5mm, REACH SVHC=Unknown, Supplier 1=Digi-Key, Termination=Solder, Voltage Rating=250V, Weight=0.067021oz, Width=14.9mm, Wire Gauge (Max)=26AWG, Wire Gauge (Min)=12AWG, Wire/Cable Gauge=26AWG
J3 J5 J8: "CONN RCPT 3POS 0.059 TIN SMD R/A", Color=Beige, Contact Resistance=20mR, Current Rating=2A, Manufacturer 1=Molex, Manufacturer Part Number 1=5025850370, Max Operating Temperature=85°C, Min Operating Temperature=-40°C, Supplier Part Number 1=WM12831CT-ND, Voltage Rating=100V, Category="Headers and Wire Housings", Connector Type="Receptacle,Center Strip Contact", Contact Gender=Female, Contact Material="Copper Alloy", Contact Plating=Tin, Depth=7.3mm, Family=CLIK-Mate, Fastening Type=Latch, Gender=Female, Glow Wire Compliant=Non-compliant, Housing Color=Beige, Housing Material=Thermoplastic, Length=8.8mm, Mount="Surface Mount", Number of Circuits=3, Number of Contacts=3, Number of Positions=3, Number of Rows=1, Orientation="Right Angle", Pitch=1.5mm, Pricing 2="1=0.53000, 10=0.50100, 100=0.38380, 500=0.33374 (USD)", REACH SVHC="No SVHC", Stock 2=133, Supplier 1=Digi-Key, Termination=Solder
J4: "CONN HEADER SMD RIGHT ANGLE 1.5MM PITCH", Current Rating=2A, Manufacturer 1=Molex, Manufacturer Part Number 1=5025850570, Supplier Part Number 1=WM14469CT-ND, Connector Type="Receptacle,Center Strip Contact", Family=CLIK-Mate, Mount="Surface Mount", Number of Circuits=5, Number of Contacts=5, Number of Positions=5, Number of Rows=1, Orientation="Right Angle", Supplier 1=Digi-Key, Termination=Solder
J6 J7: "CONN HEADER SMD RIGHT ANGLE 1.5 MM PITCH", Manufactor Number=502585-0670, Manufacturer=Molex, Supplier Part Number 1=WM12832CT-ND, Family=CLIK-Mate, Supplier 1=Digi-Key
L1: "FIXED IND 1UH 3.8A 33 MOHM SMD", Current Rating=3.8A, Manufacturer 1="Bourns Inc.", Manufacturer Part Number 1=SDR0403-1R0ML, Supplier Part Number 1=SDR0403-1R0MLCT-ND, Tolerance=?0%, Supplier 1=Digi-Key
MH1 MH2 MH3 MH4: library part MOUNTING_HOLE_M3_GIMBAL_REV2, "MOUNTING_HOLE_M3 Gimbal Rev2"
R1 R2 R4 R6 R9: library part RES_120¥Ø_0603_5%, "RES 120 OHM 5% 1/10W 0603", Case Code (Imperial)=0603, Case Code (Metric)=1608, Manufacturer 1=Yageo, Manufacturer Part Number 1=RC0603JR-07120RL, Package="0603 (1608 Metric)", Supplier Part Number 1=311-120GRCT-ND, Tolerance=5%, Dimensions="0.063\" L x 0.031\" W (1.60mm x 0.80mm)", Mount="Surface Mount", Supplier 1=Digi-Key
R3 R10 R12 R14 R15: library part RES_10k¥Ø_0603_5%, "RES 10K OHM 5% 1/10W 0603", Case Code (Imperial)=0603, Case Code (Metric)=1608, Manufacturer 1=Yageo, Manufacturer Part Number 1=RC0603JR-0710KL, Package="0603 (1608 Metric)", Supplier Part Number 1=311-10KGRCT-ND, Tolerance=5%, Dimensions="0.063\" L x 0.031\" W (1.60mm x 0.80mm)", Mount="Surface Mount", Supplier 1=Digi-Key
R5: library part RES_453k¥Ø_0603_1%, "RES 453K OHM 1% 1/10W 0603", Case Code (Imperial)=0603, Case Code (Metric)=1608, Manufacturer 1="Panasonic Electronic Components", Manufacturer Part Number 1=ERJ-3EKF4533V, Package="0603 (1608 Metric)", Supplier Part Number 1=P453KHCT-ND, Tolerance=1%, Dimensions="0.063\" L x 0.031\" W (1.60mm x 0.80mm)", Mount="Surface Mount", Supplier 1=Digi-Key
R7: library part RES_100k¥Ø_0603_1%, "RES 100K OHM 1% 1/10W 0603", Case Code (Imperial)=0603, Case Code (Metric)=1608, Case/Package=0805, Manufacturer 1=Yageo, Manufacturer 2=Vishay, Manufacturer Part Number 1=RC0603FR-07100KL, Manufacturer Part Number 2=CRCW080510K2FKEA, Max Operating Temperature=155°C, Max Power Dissipation=125mW, Min Operating Temperature=-55°C, Package="0603 (1608 Metric)", Resistance=10.2kR, Supplier Part Number 1=311-100KHRCT-ND, Temperature Coefficient=100ppm/°C, Tolerance=1%, Voltage Rating=150V, ComponentLink7Description=https://datasheet.ciiva.com/22702/1697337-22702902.pdf?src-supplier=Element14, ComponentLink7URL=https://datasheet.ciiva.com/22702/1697337-22702902.pdf?src-supplier=Element14, ComponentLink8Description=https://datasheet.ciiva.com/16204/dcrcwe3-16204135.pdf?src-supplier=Future+Electronics, ComponentLink8URL=https://datasheet.ciiva.com/16204/dcrcwe3-16204135.pdf?src-supplier=Future+Electronics, ComponentLink9Description=https://datasheet.ciiva.com/16852/dcrcwe3-16852825.pdf?src-supplier=Avnet+Europe, ComponentLink9URL=https://datasheet.ciiva.com/16852/dcrcwe3-16852825.pdf?src-supplier=Avnet+Europe, ComponentLink10Description=https://datasheet.ciiva.com/7663/1697337-7663915.pdf?src-supplier=Element14, ComponentLink10URL=https://datasheet.ciiva.com/7663/1697337-7663915.pdf?src-supplier=Element14, ComponentLink11Description=https://datasheet.ciiva.com/7663/1697337-7663916.pdf?src-supplier=Element14, ComponentLink11URL=https://datasheet.ciiva.com/7663/1697337-7663916.pdf?src-supplier=Element14, ComponentLink12Description=https://datasheet.ciiva.com/22674/1825492-22674606.pdf?src-supplier=Element14, ComponentLink12URL=https://datasheet.ciiva.com/22674/1825492-22674606.pdf?src-supplier=Element14, ComponentLink13Description=https://datasheet.ciiva.com/3258/dcrcwe3-3258031.pdf?src-supplier=Avnet, ComponentLink13URL=https://datasheet.ciiva.com/3258/dcrcwe3-3258031.pdf?src-supplier=Avnet, Composition="Thick Film", Contact Plating=Tin, Depth=1.25mm, Dimensions="0.063\" L x 0.031\" W (1.60mm x 0.80mm)", Features="Automotive AEC-Q200", Height=0.45mm, Length=2mm, Military Standard=Not, Mount="Surface Mount", Number of Pins=2, Number of Terminations=2, Power Rating=125mW, Pricing 2="1=0.10000, 10=0.06200, 100=0.02540, 1000=0.01142, 2500=0.00991 (USD)", REACH SVHC=Unknown, Stock 2=7147, Supplier 1=Digi-Key, Supplier 2=Digi-Key, Supplier Part Number 2=541-10.2KCCT-ND, Termination=SMD/SMT, Voltage Rating (DC)=150V, Weight=0.000194oz, Width=0.049inch, Working Voltage=150V
R8 R11: library part RES_20¥Ø_0603_5%, "RES 20 OHM 5% 1/10W 0603", Case Code (Imperial)=0603, Case Code (Metric)=1608, Manufacturer 1=Yageo, Manufacturer Part Number 1=RC0603JR-0720RL, Package="0603 (1608 Metric)", Supplier Part Number 1=311-20GRCT-ND, Tolerance=5%, Dimensions="0.063\" L x 0.031\" W (1.60mm x 0.80mm)", Mount="Surface Mount", Supplier 1=Digi-Key
R13: library part RES_27¥Ø_0603_5%, "RES 27 OHM 5% 1/10W 0603", Case Code (Imperial)=0603, Case Code (Metric)=1608, Manufacturer=Yageo, Manufacturer Part Number 1=RC0603JR-0727RL, Max Operating Temperature=155°C, Min Operating Temperature=-55°C, Package="0603 (1608 Metric)", Power Rating=100mW, Resistance=27¥Ø, Supplier Part Number 1=311-27GRCT-ND, Temperature Coefficient=100ppm/°C, Tolerance=5%, Voltage Rating=50V, Category="Chip SMD Resistors", Composition="Thick Film", Depth=0.8mm, Dimensions="0.063\" L x 0.031\" W (1.60mm x 0.80mm)", Length=1.6mm, Military Standard=Not, Mount="Surface Mount", Number of Pins=2, REACH SVHC="No SVHC", Supplier 1=Digi-Key, Termination=SMD/SMT, Voltage Rating (DC)=50V, Width=0.8mm
R16 R17: library part RES_0¥Ø_0603, "RES 0 OHM JUMPER 1/10W 0603", Case Code (Imperial)=0603, Case Code (Metric)=1608, Manufacturer 1=Yageo, Manufacturer Part Number 1=RC0603JR-070RL, Package="0603 (1608 Metric)", Supplier Part Number 1=311-0.0GRCT-ND, Dimensions="0.063\" L x 0.031\" W (1.60mm x 0.80mm)", Mount="Surface Mount", Supplier 1=Digi-Key
R18: library part RES_2.2k¥Ø_0603_1%, "RES 2.2K OHM 1% 1/10W 0603", Case Code (Imperial)=0603, Case Code (Metric)=1608, Manufacturer 1=Yageo, Manufacturer Part Number 1=RC0603FR-072K2L, Package="0603 (1608 Metric)", Supplier Part Number 1=311-2.20KHRCT-ND, Tolerance=1%, Dimensions="0.063\" L x 0.031\" W (1.60mm x 0.80mm)", Mount="Surface Mount", Supplier 1=Digi-Key
R19: library part RES_3.3k¥Ø_0603_5%, "RES 3.3K OHM 5% 1/10W 0603", Case Code (Imperial)=0603, Case Code (Metric)=1608, Manufacturer 1=Yageo, Manufacturer Part Number 1=RC0603JR-073K3L, Package="0603 (1608 Metric)", Supplier Part Number 1=311-3.3KGRCT-ND, Tolerance=5%, Dimensions="0.063\" L x 0.031\" W (1.60mm x 0.80mm)", Mount="Surface Mount", Supplier 1=Digi-Key
S1 S2: "Tactile Switch (Grey)", Manufacturer 1="Omron Electronics Inc-EMC Div", Manufacturer Part Number 1=B3U-1000P, Supplier Part Number 1=SW1020CT-ND, Mount="Surface Mount", Supplier 1=Digi-Key
TP1 TP2 TP8 TP9 TP10 TP15: "TESTPOINT 1MM CIRCLE"
TP4 TP7 TP11 TP12: "TESTPOINT 1MM SQUARE"
TP5 TP6 TP13: "PC TEST POINT SMD", Color=Natural, Manufacturer 1=Harwin, Manufacturer Part Number 1=S1751-46R, Package Quantity=2500, Supplier Part Number 1=952-1478-1-ND, Category="Terminal Blocks", ComponentLink1Description=https://datasheet.ciiva.com:443/pdfs/VipMasterIC/IC/HRWN/HRWN-S-A0002541722/HRWN-S-A0004513972-1.pdf?src-supplier=IHS+Markit, ComponentLink1URL=https://datasheet.ciiva.com:443/pdfs/VipMasterIC/IC/HRWN/HRWN-S-A0002541722/HRWN-S-A0004513972-1.pdf?src-supplier=IHS+Markit, ComponentLink2Description=https://datasheet.ciiva.com/5224/2010page161-58228-5224784.pdf?src-supplier=Mouser, ComponentLink2URL=https://datasheet.ciiva.com/5224/2010page161-58228-5224784.pdf?src-supplier=Mouser, ComponentLink3Description=https://datasheet.ciiva.com/22631/1688119-22631153.pdf?src-supplier=Element14, ComponentLink3URL=https://datasheet.ciiva.com/22631/1688119-22631153.pdf?src-supplier=Element14, ComponentLink4Description=https://datasheet.ciiva.com/2917/s1751-2917604.pdf?src-supplier=Digi-Key, ComponentLink4URL=https://datasheet.ciiva.com/2917/s1751-2917604.pdf?src-supplier=Digi-Key, ComponentLink5Description=https://datasheet.ciiva.com/1462/1693781-1462652.pdf?src-supplier=Farnell, ComponentLink5URL=https://datasheet.ciiva.com/1462/1693781-1462652.pdf?src-supplier=Farnell, ComponentLink6Description=https://datasheet.ciiva.com/1454/1693781-1454941.pdf?src-supplier=Element14, ComponentLink6URL=https://datasheet.ciiva.com/1454/1693781-1454941.pdf?src-supplier=Element14, Contact Material="Copper,Copper Alloy", Contact Plating=Tin, Depth=2mm, Height=2mm, Length=3.25mm, Material="Brass,Copper Alloy", Mount="Surface Mount", Number of Contacts=1, Number of Ports=1, Orientation=Straight, Packaging="Tape and Reel", Plating=Tin, Pricing 1="1=0.29000, 10=0.27700, 25=0.23760, 50=0.20200, 100=0.19400, 250=0.17424, 500=0.16632, 1000=0.13860 (USD)", Radiation Hardening=No, REACH SVHC="No SVHC", RoHS=Yes, Stock 1=159143, Supplier 1=Digi-Key, Termination=Solder, Width=1.65mm
U1 U2: library part LTC2875, "IC TXRX CAN 4MBPS 8SO", Manufacturer 1="Linear Technologies", Manufacturer Part Number 1=LTC2875IS8#PBF, Package="8-SOIC (0.154\", 3.90mm Width)", Supplier Part Number 1=LTC2875IS8#PBF-ND, Mount="Surface Mount", Supplier 1=Digi-Key
U4: library part IC_LVL_SHIFTER_4_CH, "IC BIDIRECTIONAL LEVEL SHIFTER 4 CHANNEL 14TSSOP", Manufacturer="Texas Instruments", Max Operating Temperature=125°C, Min Operating Temperature=-40°C, Package=14-TSSOP, Supplier Part Number 1=296-41034-1-ND, VCCA Voltage="1.65 V ~ 3.6 V", VCCB Voltage="2.3 V ~ 5.5 V", Data Rate=24Mbps, Mount="Surface Mount", MPN=TXS0104EQPWRQ1, Supplier 1=Digi-Key, VCCA MAX="3V6 MAX", VCCB MAX="5V5 MAX"
U5: "IC REG BUCK ADJUSTABLE 2A SOT563", Manufacturer 1="Texas Instruments", Package="SOT-563, SOT-666", Supplier Part Number 1=296-50407-1-ND, Switching Frequency=1.5MHz, Iout=1A, Iout (Max)=2A, Manufacturer Part Number 1=TLV62568ADRLR, Supplier 1=Digi-Key, Vin (Max)=5.5V, Vin (Min)=2.5V, Vout (Max)=5.5V, Vout (Min/Fixed)=0.6V
U7: library part MCU_STM32F446RET6, "ARM Cortex-M4 32-bit MCU+FPU, 512 KB Flash, 128 KB Internal RAM, 50 I/Os, 64-Pin LQFP, -40 to 85 degC, Tray", I/Os (High Current)=50, Operating Frequency(F) (Processor speed) (MHz)=180, Package Description=LQFP64, Package Reference="64-Pin Low-profile Quad Flat Package, Body 10 x 10 mm, Pitch 0.5 mm", Supplier Part Number 1=497-15376-ND, Supply Voltage(Vcc) min (V)=1.7, ComponentLink1Description="Manufacturer URL", ComponentLink1URL=http://www.st.com/, ComponentLink2Description=Datasheet, ComponentLink2URL=http://www.st.com/st-web-ui/static/active/en/resource/technical/document/datasheet/DM00141306.pdf, Core="ARM Cortex-M4", D/A Converter=2, DatasheetVersion="Rev. 6", FLASH Size (Prog) (kB)=512, Internal RAM Size (kB)=128, Mounting Technology="Surface Mount", Packing=Tray, Supplier 1=Digi-Key
Y1: "CRYSTAL 25.0000MHZ 12PF SMD", Case/Package=SMD/SMT, ESR (Equivalent Series Resistance)=80R, Frequency=25MHz, Frequency Stability=15ppm, Frequency Tolerance=10ppm, Load Capacitance=12pF, Manufacturer 1="Kyocera AVX", Manufacturer Part Number 1=CX2520DB25000H0FLJC1, Max Operating Temperature=85°C, Min Operating Temperature=-30°C, Ratings=AEC-Q200, Supplier Part Number 1=1253-1724-1-ND, Height=0.022inch, Length=0.098inch, Mount="Surface Mount", Supplier 1=Digi-Key, Width=0.079inch

## Via types
v1: diameter 24, hole 12, Top Layer to Bottom Layer, tented both sides, 198 vias